# Altium PCB 1166V10.PcbDoc (part 3 of 6)
Units mm, origin at the board's own origin, x right, y up, seen from the top; angles counter-clockwise.
Board outline 155.98 x 100 mm, 8 copper layers (Top Layer, Layer 1, Layer 2, Layer 3, Layer 4, Layer 5, Layer 6, Bottom Layer), stack 1.6 mm thick; 455 components, 271 nets, 1649 pads, 2175 vias.
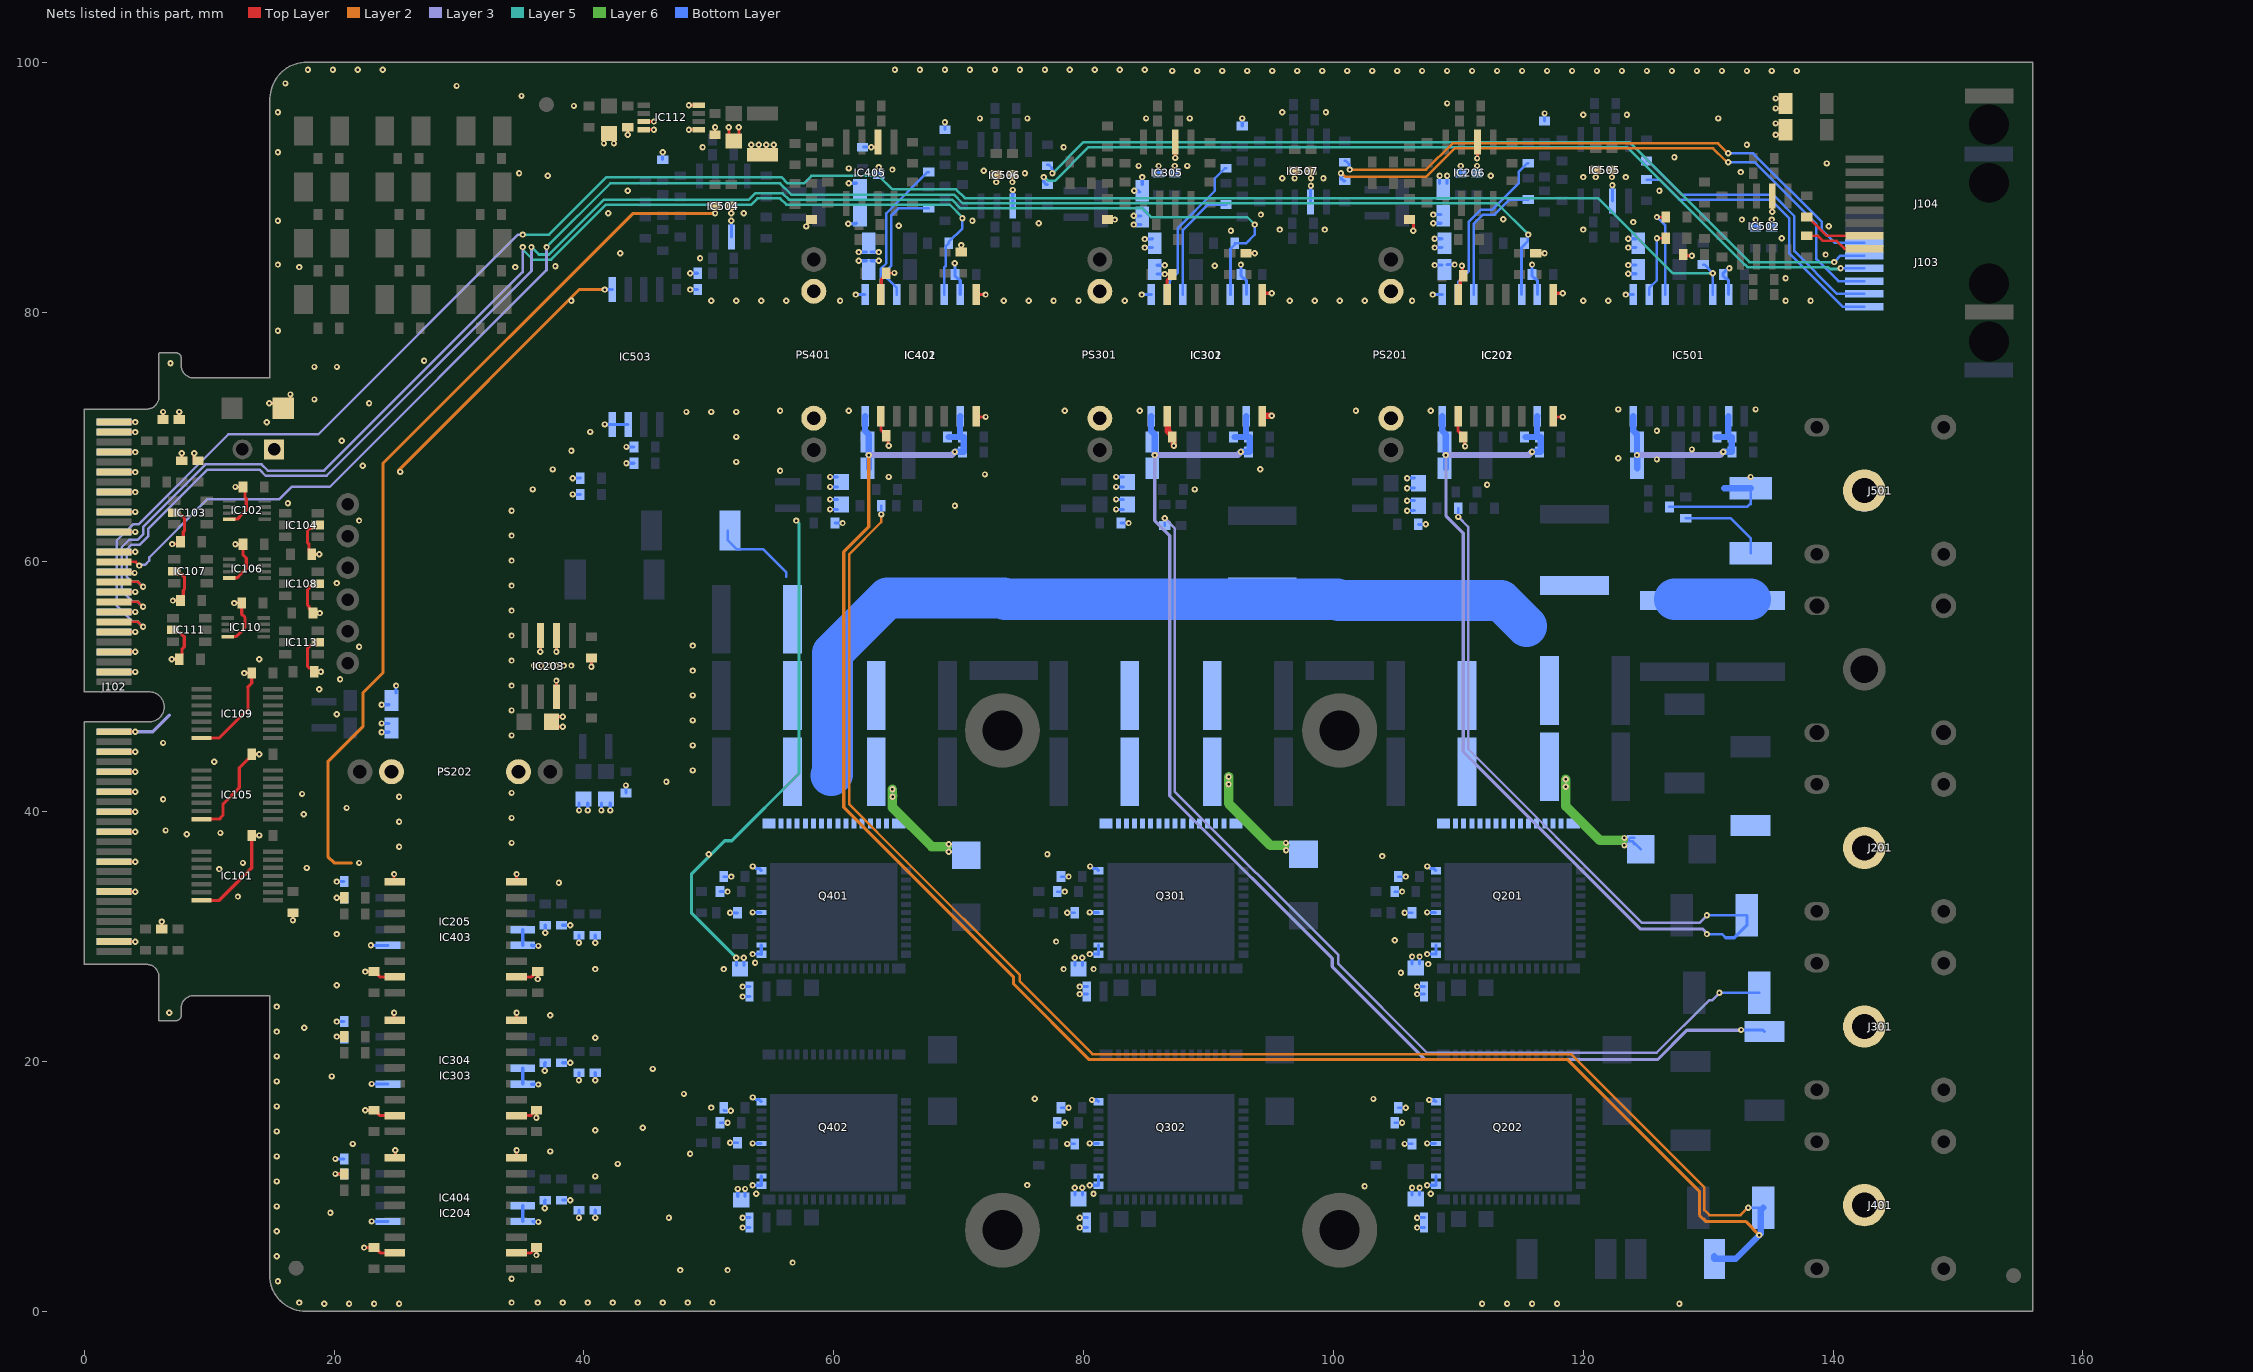
[diagram p9: the nets of this part, all layers, seen from the top]

## Via types
v1: diameter 0.5, hole 0.2, Top Layer to Bottom Layer, 2175 vias

## Nets (pads, with @x,y where several pads share a name; then routed paths per layer and width w, separated by ;. In a path a pad name is that pad's centre, name@x,y a point inside that pad or via, vN(x,y) a via of type N, cw(c..) or ccw(c..) an arc to the next point about the centre after c; other vN are vias at no path point) (continued)
GND: C101.1 C102.1 C103.1 C104.1 C105.1 C106.1 C107.1 C108.1 C109.1 C206.1 C207.1 C211.1 C212.2 C213.2 C221.1 C222.1 C223.1 C231.1 C236.1 C306.1 C307.1 C311.1 C312.2 C313.2 C321.1 C326.1 C331.1 C406.1 C407.1 C411.1 C412.2 C413.2 C421.1 C426.1 C431.1 C502.1 C505.2 C506.2 C507.1 C519.1 C532.1 C536.1 C541.1 CF101.1 CF102.1 CF103.1 CF104.2 CF105.2 CF106.2 CF107.2 CF108.2 CF109.2 CF110.2 CF111.2 CF112.2 CF203.2 CF208.2 CF210.2 CF211.2 CF212.2 CF213.2 CF303.2 CF305.2 CF307.2 CF308.2 CF309.2 CF310.2 CF403.2 CF405.2 CF407.2 CF408.2 CF409.2 CF410.2 CF501.2 CF502.2 CF503.2 CF504.2 CF507.2 CF508.2 CF509.2 CF510.2 CF511.2 CF512.2 CF513.2 CF514.2 CX101.2 D101.1 IC101.7 IC102.4 IC103.2 IC104.2 IC105.7 IC106.4 IC107.2 IC108.2 IC109.7 IC110.4 IC111.2 IC112.3 IC112.4 IC112.5 IC112.8 IC113.2 IC201.9 IC201.15 IC202.9 IC202.15 IC204.9 IC204.15 IC205.5 IC206.6 IC301.9 IC301.15 IC302.9 IC302.15 IC303.9 IC303.15 IC304.5 IC305.6 IC401.9 IC401.15 IC402.9 IC402.15 IC403.9 IC403.15 IC404.5 IC405.6 IC501.9 IC501.15 IC502.6 IC503.5 IC504.6 IC505.6 IC506.6 IC507.6 J101.1 J102.1 J102.2 J102.3 J102.4 J102.7 J102.8 J102.11 J102.12 J102.15 J102.16 J102.19 J102.20 J102.23 J102.24 J102.27 J102.28 J102.31 J102.32 J102.35 J102.36 J102.39 J102.40 J102.43 J102.44 J102.47 J102.48 J102.51 J102.52 J102.55 J102.56 J102.59 J102.60 J102.63 J102.64 J102.67 J102.68 J102.71 J102.72 J102.75 J102.76 J102.81 J102.82 J102.87 J102.88 J102.97 J102.98 PS201.2 PS202.2 PS301.2 PS401.2 R101.2 R102.1 RX101.2 | length 337.4
  Top Layer w0.254: J102.97@2.386,29.596 2.389,29.593 4.071,29.593 v1(4.073,29.591) ; J102.87@2.386,33.596 2.389,33.593 4.071,33.593 v1(4.073,33.591) ; J102.81@2.386,35.996 2.389,35.993 4.071,35.993 v1(4.073,35.991) ; J102.75@2.386,38.396 2.389,38.393 4.071,38.393 v1(4.073,38.391) ; J102.71@2.386,39.996 2.389,39.993 4.071,39.993 v1(4.073,39.991) ; J102.67@2.386,41.595 2.389,41.593 4.071,41.593 v1(4.073,41.591) ; J102.63@2.386,43.195 2.389,43.193 4.071,43.193 v1(4.073,43.191) ; J102.59@2.386,44.796 2.389,44.793 4.071,44.793 v1(4.073,44.791) ; J102.55@2.386,46.396 2.389,46.393 4.071,46.393 v1(4.073,46.391) ; J102.47@2.386,52.796 4.069,52.796 v1(4.071,52.793) ; J102.43@2.386,54.396 4.069,54.396 v1(4.071,54.393) ; J102.35@2.386,57.596 4.069,57.596 v1(4.071,57.593) ; J102.27@2.386,60.796 2.389,60.798 4.067,60.798 v1(4.069,60.8) ; J102.7@2.386,68.795 4.069,68.795 v1(4.071,68.793) ; J102.1@2.386,71.196 2.389,71.193 4.071,71.193 v1(4.073,71.191) ; J102.51@2.389,51.193 4.071,51.193 v1(4.073,51.191) ; J102.39@2.389,55.993 4.071,55.993 v1(4.073,55.991) ; J102.31@2.389,59.193 2.43,59.152 3.976,59.152 v1(4.02,59.108) ; J102.19@2.389,63.993 4.071,63.993 v1(4.073,63.991) ; J102.15@2.389,65.593 4.071,65.593 v1(4.073,65.591) ; J102.11@2.389,67.193 4.071,67.193 v1(4.073,67.191) ; J102.3@2.389,70.393 4.071,70.393 v1(4.073,70.391) ; J102.23@2.389,62.393 4.071,62.393 v1(4.074,62.39) ; R102.1@6.2,30.6 v1(6.2,31.2) ; C106.1@6.3,71.4 v1(6.3,72) ; v1(7,52.2) CF110.2@7.6,52.2 7.823,52.423 7.823,53.013 8,53.19 8,54 7.669,54.332 7.316,54.332 IC111.2@7.1,54.548 ; v1(7.043,61.42) CF112.2@7.583,61.42 ; v1(7.1,56.9) CF111.2@7.7,56.9 7.923,57.123 7.923,57.713 8.026,57.815 8.026,58.775 7.769,59.032 7.416,59.032 IC107.2@7.2,59.247 ; IC103.2@7.2,63.947 7.416,63.732 7.769,63.732 8.026,63.475 8.026,62.515 7.923,62.413 7.923,61.823 CF112.2@7.7,61.6 ; C107.1@7.6,71.4 v1(7.6,72) ; CF112.2@7.682,61.518 CF112.2@7.7,61.5 ; C108.1@7.8,68.1 v1(7.8,68.7) ; C109.1@8.8,68.1 v1(8.8,68.7) ; IC101.7@9.4,32.9 10.8,32.9 13.4,35.5 CF103.1@13.4,38.1 v1(14,38.1) ; IC105.7@9.4,39.4 10.5,39.4 10.8,39.4 11.1,39.7 11.1,40.6 12.4,41.9 12.4,43.5 13.4,44.5 CF102.1@13.4,44.6 v1(14,44.6) ; IC109.7@9.4,45.9 10.8,45.9 13.1,48.2 13.1,49.95 13.075,49.975 13.4,50.3 CF101.1@13.4,51.1 v1(12.8,51.1) ; IC110.4@11.5,54 11.523,54.023 12.151,54.023 12.863,54.735 12.863,55.557 12.6,55.82 CF107.2@12.6,56.7 v1(12,56.7) ; IC106.4@11.6,58.7 11.623,58.723 12.235,58.723 12.5,58.988 12.5,59 12.7,59.2 12.703,59.2 12.963,59.46 12.963,60.306 12.7,60.569 CF108.2@12.7,61.4 v1(12.1,61.4) ; IC102.4@11.6,63.4 11.623,63.423 12.235,63.423 12.7,63.888 12.7,63.897 12.963,64.16 12.963,65.068 12.863,65.169 12.863,65.837 CF109.2@12.7,66 v1(12.1,66) ; v1(14.8,72.691) 15.736,72.691 D101.1@15.827,72.6 ; D101.1@16.5,72.373 v1(16.5,73.4) ; v1(16.7,31.3) R101.2@16.7,31.9 ; 18,51.5 17.865,51.635 17.865,53.075 18.122,53.332 18.475,53.332 IC113.2@18.691,53.548 ; IC108.2@18.691,58.248 18.475,58.032 18.122,58.032 17.865,57.775 17.865,56.535 18,56.4 18,56.3 18.3,56 CF105.2@18.3,55.9 v1(18.845,55.9) ; IC104.2@18.691,62.947 18.475,62.732 18.122,62.732 17.865,62.475 17.865,61.515 17.977,61.404 17.977,60.823 CF104.2@18.2,60.6 v1(18.8,60.6) ; v1(20.1,11) C231.1@20.8,11 ; v1(20.2,22) C326.1@20.8,22 ; v1(20.2,33.1) C426.1@20.8,33.1 ; v1(22.4,5.1) CF208.2@23.2,5.1 23.3,5.1 23.7,4.7 23.73,4.67 IC204.15@24.85,4.67 ; v1(22.5,16.1) CF305.2@23.2,16.1 23.3,16.1 23.523,15.877 23.523,15.819 23.672,15.67 IC303.15@24.85,15.67 ; v1(22.5,27.2) CF405.2@23.2,27.2 23.3,27.2 23.523,26.977 23.523,26.919 23.672,26.77 IC403.15@24.85,26.77 ; v1(24.8,23.9) 24.8,23.34 IC303.9@24.85,23.29 ; v1(24.8,35) 24.8,34.44 IC403.9@24.85,34.39 ; IC204.9@24.85,12.29 24.9,12.34 v1(24.9,12.9) ; v1(41.6,93.5) C101.1@41.6,94.1 ; v1(42.4,93.5) C101.1@42.4,94.1 ; v1(43.5,94.2) C102.1@43.5,94.8 ; IC112.4@45,94.6 v1(45.6,94.6) ; IC112.3@45,95.25 v1(45.6,95.25) ; v1(48.4,94.6) IC112.5@49,94.6 ; v1(48.4,96.545) 48.402,96.548 48.998,96.548 IC112.8@49,96.55 ; v1(50.5,87.9) CF507.2@50.5,88.5 ; C104.1@50.5,94.2 v1(50.5,94.8) ; C103.1@51.6,94.2 v1(51.6,94.8) ; v1(51.8,87.9) CF508.2@51.8,88.5 ; C103.1@52.4,94.2 v1(52.4,94.8) ; C105.1@53.4,92.8 v1(53.4,93.4) ; C105.1@54,92.8 v1(54,93.4) ; C105.1@54.6,92.8 v1(54.6,93.4) ; C105.1@55.2,92.8 v1(55.2,93.4) ; v1(57.797,86.847) 57.797,86.913 57.887,87.004 57.887,87.177 58.11,87.4 C431.1@58.21,87.4 ; v1(63,93.2) 63.392,93.2 63.54,93.348 IC405.6@63.54,93.6 ; IC402.15@63.78,81.4 63.8,81.42 63.8,82.606 63.971,82.777 63.977,82.777 64.2,83 CF403.2@64.2,83.1 64.227,83.127 v1(64.855,83.127) ; v1@69.686,83.814 v1(69.686,83.899) ; C421.1@70.2,84.8 v1(70.2,85.356) ; IC402.9@71.4,81.4 v1(72.153,81.4) ; v1(73,90.4) CF511.2@73,91 ; v1(74.3,90.4) CF512.2@74.3,91 ; C331.1@81.91,87.4 v1(82.51,87.4) ; v1(86.5,83.04) 87.06,83.04 CF303.2@87.1,83 87.1,82.9 86.877,82.677 86.829,82.677 86.68,82.528 IC302.15@86.68,81.4 ; v1(87.34,92.34) IC305.6@87.34,93.6 ; C321.1@93,84.7 v1(93.7,84.7) ; IC302.9@94.3,81.4 94.4,81.5 v1(95.053,81.5) ; v1(96.89,90.71) 96.89,91.29 CF513.2@96.9,91.3 ; v1(98.2,90.7) CF514.2@98.2,91.3 ; v1(106.4,86.5) C236.1@106.4,87.1 ; IC202.15@109.98,81.4 110.153,81.573 110.153,82.553 110.336,82.736 110.336,83.653 v1(110.289,83.7) ; v1(111.5,92.3) 111.53,92.33 IC206.6@111.53,93.6 ; C221.1@116.2,84.7 v1(116.9,84.7) ; IC202.9@117.6,81.4 117.7,81.5 v1(118.353,81.5) ; v1(121,90.8) CF509.2@121,91.4 ; v1(122.3,90.8) CF510.2@122.3,91.4 ; C507.1@128.1,84.5 v1(128.7,84.5) ; v1(135.13,88.03) IC502.6@135.13,89.3 ; v1(135.4,94.2) CX101.2@136,94.2 ; v1(135.4,95.1) CX101.2@136,95.1 ; v1(135.4,96.3) RX101.2@136,96.3 ; v1(135.4,97.1) RX101.2@136,97.1
  Layer 2 w0.254: 21.4,35.9 20,35.9 19.5,36.4 19.5,44.011 22.3,46.811 22.3,49.504 23.9,51.104 23.9,67.869 43.931,87.9 v1(50.5,87.9) ; v1@25.17,67.343 39.627,81.8 v1(41.66,81.8) ; v1(57.797,86.847) v1@57.844,86.8
  Layer 3 w0.254: v1(4.073,46.391) 5.481,46.391 6.81,47.72
  Bottom Layer w0.254: J102.98@2.386,29.596 2.389,29.593 4.071,29.593 v1(4.073,29.591) ; J102.88@2.386,33.596 2.389,33.593 4.071,33.593 v1(4.073,33.591) ; J102.82@2.386,35.996 2.389,35.993 4.071,35.993 v1(4.073,35.991) ; J102.76@2.386,38.396 2.389,38.393 4.071,38.393 v1(4.073,38.391) ; J102.72@2.386,39.996 2.389,39.993 4.071,39.993 v1(4.073,39.991) ; J102.68@2.386,41.595 2.389,41.593 4.071,41.593 v1(4.073,41.591) ; J102.64@2.386,43.195 2.389,43.193 4.071,43.193 v1(4.073,43.191) ; J102.60@2.386,44.796 2.389,44.793 4.071,44.793 v1(4.073,44.791) ; J102.56@2.386,46.396 2.389,46.393 4.071,46.393 v1(4.073,46.391) ; J102.48@2.386,52.796 4.069,52.796 v1(4.071,52.793) ; J102.44@2.386,54.396 4.069,54.396 v1(4.071,54.393) ; J102.36@2.386,57.596 4.069,57.596 v1(4.071,57.593) ; J102.28@2.386,60.796 2.389,60.798 4.067,60.798 v1(4.069,60.8) ; J102.8@2.386,68.795 4.069,68.795 v1(4.071,68.793) ; J102.2@2.386,71.196 2.389,71.193 4.071,71.193 v1(4.073,71.191) ; J102.52@2.389,51.193 4.071,51.193 v1(4.073,51.191) ; J102.40@2.389,55.993 4.071,55.993 v1(4.073,55.991) ; J102.32@2.389,59.193 2.43,59.152 3.976,59.152 v1(4.02,59.108) ; J102.20@2.389,63.993 4.071,63.993 v1(4.073,63.991) ; J102.16@2.389,65.593 4.071,65.593 v1(4.073,65.591) ; J102.12@2.389,67.193 4.071,67.193 v1(4.073,67.191) ; J102.4@2.389,70.393 4.071,70.393 v1(4.073,70.391) ; J102.24@2.389,62.393 4.071,62.393 v1(4.074,62.39) ; v1(20.1,11) CF410.2@20.8,11 ; v1(20.1,12.2) CF409.2@20.8,12.2 ; v1(20.2,22) 20.7,22 CF310.2@20.8,21.9 ; v1(20.2,23.2) CF309.2@20.8,23.2 ; v1(20.2,33.1) CF213.2@20.8,33.1 ; v1(20.2,34.4) CF212.2@20.8,34.4 ; v1(22.945,29.3) 22.95,29.295 24.295,29.295 IC205.5@24.3,29.29 ; v1(23,7.2) 23.005,7.195 24.295,7.195 IC404.5@24.3,7.19 ; v1(23,18.2) 23.005,18.195 24.295,18.195 IC304.5@24.3,18.19 ; v1(23.8,46.36) C223.1@24.4,46.36 ; v1(23.8,47.06) C223.1@24.4,47.06 ; v1(23.8,48.56) C222.1@24.4,48.56 ; C222.1@24.96,49.5 v1(24.96,50.1) ; v1(41.66,81.8) IC503.5@42.26,81.8 ; C519.1@46.3,92.2 v1(46.3,92.8) ; v1(48.5,81.8) CF504.2@49.1,81.8 ; v1(48.5,83.1) CF503.2@49.1,83.1 ; IC504.6@51.8,86 v1(51.8,87.3) ; v1(61.163,87.063) 61.763,87.063 C407.1@61.8,87.1 ; v1(61.2,90.307) 61.793,90.307 C406.1@61.8,90.3 ; v1(61.757,81.4) IC401.9@62.51,81.4 ; v1(62,84.1) C413.2@62.6,84.1 ; v1(62,84.8) C412.2@62.6,84.8 ; CF407.2@62.4,93.2 v1(63,93.2) ; C413.2@63,84.1 v1(63.6,84.1) ; C412.2@63,84.8 v1(63.6,84.8) ; CF408.2@63.6,91 v1(63.6,91.6) ; C536.1@68.9,94.6 v1(68.9,95.2) ; v1(69.686,83.899) 69.693,83.892 69.693,83.007 C411.1@69.7,83 69.7,82.9 69.923,82.677 69.981,82.677 70.13,82.528 IC401.15@70.13,81.4 ; IC506.6@74.33,88.5 v1(74.33,89.77) ; v1(84.007,87) C307.1@84.6,87 ; v1(84.007,87.7) C307.1@84.6,87.7 ; v1(84.056,89.707) 84.393,89.707 C306.1@84.5,89.6 ; v1(84.657,81.4) IC301.9@85.41,81.4 ; C306.1@84.7,90.2 v1(84.7,90.8) ; v1(84.9,85.16) C312.2@85.5,85.16 ; v1(84.9,85.845) 85.485,85.845 C312.2@85.5,85.86 ; C313.2@85.9,83.04 v1(86.5,83.04) ; C313.2@85.9,83.74 v1(86.5,83.74) ; CF307.2@86,91.1 v1(86,91.7) ; CF308.2@87.3,91.1 v1(87.3,91.7) ; v1(92.6,83.803) C311.1@92.6,83 92.6,82.9 92.823,82.677 92.881,82.677 93.03,82.528 IC301.15@93.03,81.4 ; C541.1@92.7,94.9 v1(92.7,95.5) ; IC507.6@98.17,88.8 98.17,90.07 v1(98.2,90.1) ; v1(107.957,81.4) IC201.9@108.71,81.4 ; v1(108,87.1) C207.1@108.6,87.1 ; v1(108,87.8) C207.1@108.6,87.8 ; v1(108.1,83.76) C213.2@108.7,83.76 ; v1(108.1,85.16) C212.2@108.7,85.16 ; v1(108.1,85.86) C212.2@108.7,85.86 ; C206.1@108.5,90.3 v1(108.5,90.9) ; C213.2@109.1,83.8 v1(109.7,83.8) ; C206.1@109.1,90.3 v1(109.1,90.9) ; CF210.2@110.2,91.1 v1(110.2,91.7) ; CF211.2@111.5,91.1 v1(111.5,91.7) ; v1(115.9,83.803) C211.1@115.9,83 115.9,82.9 116.123,82.677 116.181,82.677 116.33,82.528 IC201.15@116.33,81.4 ; C532.1@116.9,95.3 v1(116.9,95.9) ; IC505.6@122.34,88.9 v1(122.34,90.14) ; v1(123.4,81.4) IC501.9@124.01,81.4 ; v1(123.6,83.06) C506.2@124.2,83.06 ; v1(123.6,83.76) C506.2@124.2,83.76 ; v1(123.6,85.16) C505.2@124.2,85.16 ; v1(123.6,85.86) C505.2@124.2,85.86 ; IC501.15@131.63,81.4 131.63,82.528 131.481,82.677 131.423,82.677 131.2,82.9 C502.1@131.2,83 131.2,83.1 131.553,83.453 131.653,83.453 v1(131.7,83.5) ; CF501.2@133.8,86.8 v1(133.8,87.4) ; CF502.2@135.1,86.8 v1(135.1,87.4)
  other v1: 19.2,0.6 21.2,0.6 23.2,0.6 25.2,0.6 17.2,0.7 15.5,2.4 15.4,4.4 15.4,6.4 19.7,7.9 15.4,8.4 15.4,10.4 15.4,12.4 21.5,13.4 15.4,14.4 15.4,16.4 15.4,18.4 19.8,18.8 15.4,20.4 15.4,22.4 17.6,22.7 6.8,23.9 15.4,24.4 20.2,26.1 20.2,30.2 12.3,33.2 10.8,35.4 17.8,35.5 12.7,35.9 22,35.9 25.2,37.2 8.2,38.2 10.9,38.3 6.5,38.5 25.2,39.2 17.577,39.802 21,40.3 6.3,41 25.2,41.2 17.429,41.417 10.4,44 6.3,45.5 20.2,47.8 18.8,49.8 20.475,50.6 18.945,51.2 14,52.2 22,53.2 20.2,58.3 22,63.3 16.3,64.7 25.3,67.2 22.3,67.7 20.6,69.7 14.6,71.175 22.8,72.7 18.425,73 18.425,75.6 20.225,75.6 6.9,75.9 27.2,76.1 15.5,78.5 39,80.9 50.2,80.9 52.2,80.9 54.2,80.9 56.2,80.9 60.5,80.9 73.6,80.9 75.6,80.9 77.6,80.9 79.6,80.9 83.3,80.9 96.5,80.9 98.5,80.9 100.5,80.9 102.5,80.9 106.3,80.9 120,80.9 122,80.9 136.2,80.9 138.2,80.9 136.2,82.7 17.2,83.6 34.5,83.6 37.712,83.668 90.5,83.7 15.5,83.8 49.3,84.3 139.4,84.6 42.9,84.7 135.9,85.9 91.8,86.5 95.7,86.6 99.3,86.6 120,86.6 139.661,86.868 65.2,86.9 76.4,87.1 124,87.2 15.5,87.3 71.1,87.3 132.7,87.4 113.595,87.42 94.2,87.8 41.949,87.9 52.8,87.9 43.5,89.7 126.1,89.7 95.9,90.7 99.2,90.7 120,90.8 123.4,90.8 37.1,90.9 112.6,90.9 34.8,91.1 75.3,91.1 132.6,91.2 72,91.3 64.7,91.4 61.2,91.5 84.4,91.7 88.3,91.7 139.5,91.9 127.3,92.4 15.5,92.8 49.5,93.2 78.4,93.2 133.1,93.4 71.7,95.5 75.5,95.5 85,95.5 88.5,95.5 130.8,95.5 120,95.8 123.5,95.8 15.5,96 95.9,96 99.4,96 39.2,96.5 109.1,96.7 35,97.3 29.8,98.1 16.1,98.3 87.1,99.3 89.1,99.3 91.1,99.3 93.1,99.3 95.1,99.3 97.1,99.3 99.1,99.3 101.1,99.3 103.1,99.3 105.1,99.3 107.1,99.3 109.1,99.3 111.1,99.3 113.1,99.3 115.1,99.3 117.1,99.3 119.1,99.3 121.1,99.3 123.1,99.3 125.1,99.3 127.1,99.3 129.1,99.3 131.1,99.3 133.1,99.3 135.1,99.3 137.1,99.3 17.9,99.4 19.9,99.4 21.9,99.4 23.9,99.4 64.9,99.4 66.9,99.4 68.9,99.4 70.9,99.4 72.9,99.4 74.9,99.4 76.9,99.4 78.9,99.4 80.9,99.4 82.9,99.4 84.9,99.4
HV: C202.1 C203.1 C204.1 C205.1 C302.1 C303.1 C304.1 C305.1 C402.1 C403.1 C404.1 C405.1 C521.1 C522.1 C523.1 C524.1 C525.1 C526.1 C527.1 D201.2 D301.2 D401.2 Q201.1 Q201.2 Q201.3 Q201.4 Q201.5 Q201.6 Q201.7 Q201.8 Q201.9 Q201.10 Q201.11 Q201.12 Q201.13 Q201.14 Q201.15 Q201.16 Q301.1 Q301.2 Q301.3 Q301.4 Q301.5 Q301.6 Q301.7 Q301.8 Q301.9 Q301.10 Q301.11 Q301.12 Q301.13 Q301.14 Q301.15 Q301.16 Q401.1 Q401.2 Q401.3 Q401.4 Q401.5 Q401.6 Q401.7 Q401.8 Q401.9 Q401.10 Q401.11 Q401.12 Q401.13 Q401.14 Q401.15 Q401.16 R511.2 R516.1 R518.1 | length 113.7
  Layer 6 w0.762: v1@64.7,41.301 v1@64.701,41.301 ; v1(64.7,41.8) 64.7,41.3 64.7,40.341 67.841,37.2 v1@69.1,37.2 ; v1(91.61,42.802) 91.61,42.302 91.61,40.642 94.953,37.3 v1@96.1,37.3 ; v1(118.6,42.6) 118.6,42.1 118.6,40.441 121.341,37.7 v1@123.2,37.7
  Bottom Layer w0.203: R511.2@51.5,62.5 51.5,61.75 52.248,61.002 54.36,61.002 56.2,59.162 56.2,58.8 ; D201.2@124.1,37.4 D201.2@123.85,37.65 ; D201.2@124.1,37.9 123.75,37.9 123.5,37.65 D201.2@123.85,37.65 ; D201.2@124.6,37 123.95,37.65 D201.2@123.85,37.65 ; R516.1@128.2,63.5 131.8,63.5 133.4,61.9 R518.1@133.4,60.7
  Bottom Layer w3.302: 59.8,42.9 59.9,43 59.9,52.7 64.3,57.1 73.6,57.1 73.7,57 100.3,57 100.4,56.9 113.4,56.9 115.45,54.85 ; C524.1@127.3,57 C527.1@133.4,57
  other v1: 69.2,36.8 96.21,36.902 123.3,37.3 69.2,37.4 96.2,37.5 123.3,37.9 64.701,41.201 118.6,42 91.61,42.202
I1_DIAG: IC201.14 J102.29 R203.1 | length 133.9
  Top Layer w0.203: J102.29@2.386,59.996 4.104,59.996 v1(4.4,59.7)
  Layer 3 w0.203: v1(4.4,59.7) 4.457,59.757 4.857,59.757 5.2,60.1 5.2,60.362 9.832,64.994 15.594,64.994 16.6,66 19.649,66 37,83.351 37,85.197 v1(37.003,85.2)
  Layer 5 w0.203: v1(37.003,85.2) 42.103,90.3 55.7,90.3 56.594,89.406 69.62,89.406 70.32,88.706 113.094,88.706 v1(115.6,86.2)
  Bottom Layer w0.203: R203.1@115.3,85.4 115.548,85.648 v1@115.548,86.168
  Bottom Layer w0.254: IC201.14@115.06,81.4 115.06,85.16 R203.1@115.3,85.4
I1_OUT_N: J103.2 R529.2 | length 23.5
  Bottom Layer w0.203: R529.2@125.07,92.1 125.17,92.1 127.87,89.4 135.175,89.4 136.906,87.668 136.906,84.868 140.325,81.45 J103.2@142.495,81.45
I1_OUT_N#: IC201.10 R531.1 | length 13.4
  Bottom Layer w0.203: IC201.10@109.98,81.4 109.98,82.4 110.844,83.264 110.844,87.244 111.8,88.2 112.725,88.2 114.845,90.32 114.845,91.245 115.5,91.9 R531.1@115.6,91.9
I1_OUT_P: J103.1 R525.2 | length 23.3
  Bottom Layer w0.203: R525.2@125.07,90.6 126.095,90.6 127.702,88.994 135.006,88.994 136.5,87.5 136.5,84.7 140.77,80.43 J103.1@142.495,80.43
I1_OUT_P#: IC201.11 R527.1 | length 10.8
  Bottom Layer w0.203: IC201.11@111.25,81.4 111.25,87.075 111.968,87.794 112.894,87.794 114.1,89 R527.1@115.6,89
I2_DIAG: IC301.14 J102.33 R303.1 | length 118.7
  Top Layer w0.203: J102.33@2.386,58.396 4.304,58.396 v1(4.7,58)
  Layer 3 w0.203: v1(4.7,58) 4.3,58.4 3.8,58.4 3.4,58.8 3.4,61 3.755,61.355 4.43,61.355 5.106,62.032 5.106,62.632 9.83,67.355 14.058,67.355 14.519,66.894 19.394,66.894 35.8,83.3 v1(35.8,85.2)
  Layer 5 w0.203: v1(35.8,85.2) 36.394,84.606 37.194,84.606 41.594,89.006 53.206,89.006 53.7,89.5 55.9,89.5 56.4,89 69.452,89 70.152,88.3 84.7,88.3 85.4,87.6 93.1,87.6 v1(93.7,87)
  Bottom Layer w0.203: IC301.14@91.76,81.4 91.76,85.06 92.1,85.4 R303.1@92.1,85.5 93,85.5 93.7,86.2 v1(93.7,87)
I2_OUT_N: J103.6 R544.2 | length 46.7
  Layer 2 w0.203: v1(101.3,91.4) 107.425,91.4 109.526,93.501 121.7,93.501 121.705,93.506 130.794,93.506 131.597,92.703 v1(131.6,92.703)
  Bottom Layer w0.203: R544.2@100.9,92.1 101,92.1 101.248,91.852 101.248,91.752 101.3,91.7 v1(101.3,91.4) ; v1(131.6,92.703) 131.603,92.7 133.6,92.7 139.106,87.194 139.106,86.568 140.145,85.53 J103.6@142.495,85.53
I2_OUT_N#: IC301.10 R546.1 | length 12.1
  Bottom Layer w0.203: IC301.10@86.68,81.4 86.878,81.598 86.878,82.478 87.544,83.144 87.544,86.744 90.5,89.7 90.5,90.7 91.3,91.5 R546.1@91.4,91.5
I2_OUT_P: J103.3 R541.2 | length 49.8
  Layer 2 w0.203: v1(100.6,91.1) 100.68,91.1 100.935,90.845 107.445,90.845 109.695,93.095 130.395,93.095 130.4,93.1 131.352,92.148 131.371,92.148 131.52,92 v1(131.6,92)
  Bottom Layer w0.203: v1(131.6,92) 133.725,92 138.663,87.063 138.663,84.237 140.43,82.47 J103.3@142.495,82.47
  Bottom Layer w0.254: v1(100.6,91.1) 100.6,90.723 100.823,90.5 R541.2@100.9,90.5
I2_OUT_P#: IC301.11 R543.1 | length 9.5
  Bottom Layer w0.203: IC301.11@87.95,81.4 87.95,86.575 89.975,88.6 R543.1@91.4,88.6
I3_DIAG: IC401.14 J102.37 R403.1 | length 97.2
  Top Layer w0.203: J102.37@2.386,56.796 4.304,56.796 v1(4.7,56.4)
  Layer 3 w0.203: v1(4.7,56.4) 4.3,56.8 3.9,56.8 2.994,57.706 2.994,61.168 3.587,61.762 4.262,61.762 4.7,62.2 4.7,62.8 9.7,67.8 14.187,67.8 14.687,67.3 19.2,67.3 35.097,83.197 v1(35.097,85.2)
  Layer 5 w0.203: v1(35.097,85.2) 35.154,85.143 35.154,84.945 35.898,84.2 37.363,84.2 41.763,88.6 53.4,88.6 53.894,89.094 55.706,89.094 56.206,88.594 69.084,88.594 69.284,88.594 70.3,87.577 v1(70.3,87.5)
  Bottom Layer w0.203: IC401.14@68.86,81.4 68.86,83.592 68.952,83.683 68.952,85.252 R403.1@69.2,85.5 69.2,85.6 70.3,86.7 v1@70.3,87.4
I3_OUT_N: J103.5 R536.2 | length 71.2
  Layer 5 w0.203: v1(77.5,91.1) 80,93.6 123.711,93.6 133.311,84 v1(140.1,84)
  Bottom Layer w0.203: R536.2@77.1,91.8 77.2,91.8 77.448,91.552 77.448,91.452 77.5,91.4 v1(77.5,91.1) ; v1(140.1,84) 140.1,84.02 140.59,84.51 J103.5@142.495,84.51
I3_OUT_N#: IC401.10 R538.1 | length 11.4
  Bottom Layer w0.203: IC401.10@63.78,81.4 63.78,83.48 64.2,83.9 64.2,87.9 67.5,91.2 R538.1@67.6,91.2
I3_OUT_P: J103.4 R532.2 | length 71.7
  Layer 5 w0.203: v1(76.8,90.8) 76.88,90.8 77.18,90.5 77.7,90.5 80.394,93.194 123.506,93.194 132.9,83.8 132.936,83.8 133.142,83.594 139.606,83.594 139.755,83.445 140.545,83.445 v1(140.6,83.5)
  Bottom Layer w0.203: v1@140.63,83.49 J103.4@142.495,83.49
  Bottom Layer w0.254: v1(76.8,90.8) 76.8,90.423 77.023,90.2 R532.2@77.1,90.2
I3_OUT_P#: IC401.11 R534.1 | length 10
  Bottom Layer w0.203: IC401.11@65.05,81.4 65.05,81.925 64.3,82.675 64.3,83.425 64.606,83.732 64.606,87.732 65.175,88.3 R534.1@67.6,88.3
I_DIAG: IC501.14 J102.41 R502.1 | length 156.8
  Top Layer w0.203: J102.41@2.386,55.196 4.304,55.196 v1(4.7,54.8)
  Layer 3 w0.203: v1(4.7,54.8) 4.3,55.2 3.9,55.2 2.587,56.513 2.587,61.687 3.9,63 4.325,63 11.525,70.2 18.73,70.2 34.73,86.2 v1(35.1,86.2)
  Layer 5 w0.203: v1(35.1,86.2) 37.2,86.2 41.8,90.8 55.8,90.8 56.3,90.3 57.6,90.3 58.2,90.9 63.6,90.9 64.687,89.813 69.789,89.813 70.489,89.113 121.187,89.113 127.2,83.1 v1(130.36,83.1)
  Bottom Layer w0.203: R502.1@129.6,83.8 129.7,83.8 130.36,83.14 v1(130.36,83.1) IC501.14@130.36,81.4
I_OUT_N: J104.8 R506.2 | length 5
  Top Layer w0.203: R506.2@137.9,86.1 138.8,86.1 139.206,85.694 140.286,85.694 140.9,85.08 J104.8@142.52,85.08
I_OUT_N#: IC501.10 R508.1 | length 5.5
  Top Layer w0.203: v1(125.9,85.9) R508.1@126.6,85.9
  Bottom Layer w0.203: IC501.10@125.28,81.4 125.28,81.925 125.9,82.545 v1(125.9,85.9)
I_OUT_P: J104.7 R503.2 | length 5.2
  Top Layer w0.203: R503.2@137.9,87.6 138,87.6 139.5,86.1 J104.7@142.52,86.1
I_OUT_P#: IC501.11 R505.1 | length 7.1
  Top Layer w0.203: v1@126,87.6 R505.1@126.6,87.6
  Bottom Layer w0.203: v1(125.9,87.6) 126.55,86.95 IC501.11@126.55,81.4
M1: C224.2 C225.1 C226.1 C228.2 C230.1 C235.1 C322.1 C323.1 C325.1 C330.1 C422.1 C423.1 C425.1 C430.1 C518.1 CF205.2 CF206.2 CF207.2 CF209.1 CF214.2 CF215.2 CF306.1 CF311.2 CF312.2 CF406.1 CF411.2 CF412.2 CF505.2 CF506.2 IC203.3 IC203.6 IC203.7 IC204.2 IC204.8 IC205.3 IC205.4 IC303.2 IC303.8 IC304.3 IC304.4 IC403.2 IC403.8 IC404.3 IC404.4 IC503.3 IC503.4 L206.1 L304.1 L404.1 PS202.6 Q202.44 Q202.45 Q202.49 Q202.54 Q302.44 Q302.45 Q302.49 Q302.54 Q402.44 Q402.45 Q402.49 Q402.54 R212.2 R224.2 R312.2 R324.2 R412.2 R424.2 R522.2 | length 56.7
  Top Layer w0.254: IC204.2@34.6,4.67 35.728,4.67 35.877,4.819 35.877,4.877 36.1,5.1 CF209.1@36.2,5.1 v1(36.2,4.5) ; IC204.8@34.6,12.29 v1(34.6,12.9) ; IC303.2@34.6,15.67 35.728,15.67 35.877,15.819 35.877,15.877 36.1,16.1 CF306.1@36.2,16.1 v1(36.2,15.5) ; IC303.8@34.6,23.29 v1(34.6,23.9) ; IC403.2@34.6,26.77 35.806,26.77 35.977,26.941 35.977,26.977 36.2,27.2 CF406.1@36.3,27.2 v1(36.3,26.6) ; IC403.8@34.6,34.39 v1(34.6,35) ; v1(36.5,52.8) 36.515,52.815 36.515,54.085 IC203.7@36.53,54.1 ; CF207.2@37.4,46.8 v1(38.3,46.8) ; CF207.2@37.4,47.6 v1(38.3,47.6) ; IC203.3@37.8,49.2 v1(37.8,50.5) ; v1(37.8,52.8) IC203.6@37.8,54.1 ; v1(40.6,51.6) C228.2@40.6,52.3
  Bottom Layer w0.203: R412.2@50.9,15.1 v1(51.5,15.1) ; C423.1@51.2,16.1 51.242,16.058 v1(51.758,16.058) ; v1(51.7,13.5) C425.1@52.3,13.5 ; R312.2@77.9,15.1 v1(78.5,15.1) ; C323.1@78.2,16.3 v1(78.8,16.3) ; v1(78.7,13.4) C325.1@79.3,13.4 ; R212.2@104.9,15.1 v1(105.5,15.1) ; C226.1@105.2,16.3 v1(105.8,16.3) ; v1(105.7,13.4) C230.1@106.3,13.4
  Bottom Layer w0.254: IC404.4@35.1,7.19 IC404.3@35.1,8.46 ; IC304.4@35.1,18.19 IC304.3@35.1,19.46 ; IC205.4@35.1,29.29 IC205.3@35.1,30.56 ; IC304.4@35.8,18.2 35.826,18.174 36.342,18.174 v1(36.358,18.158) ; IC205.4@35.8,29.3 35.828,29.272 36.343,29.272 v1(36.361,29.255) ; IC404.4@35.9,7.2 35.928,7.172 36.343,7.172 v1(36.361,7.155) ; v1(36.858,19.258) 36.858,19.858 CF311.2@36.9,19.9 ; v1(36.863,8.252) 36.863,8.863 CF411.2@36.9,8.9 ; v1(36.9,30.3) CF214.2@36.9,30.9 ; CF412.2@38.3,8.9 v1(38.9,8.9) ; CF312.2@38.3,19.9 v1(38.9,19.9) ; CF215.2@38.3,30.9 v1(38.9,30.9) ; v1(39.1,65.4) R522.2@39.7,65.4 ; v1(39.1,66.7) C518.1@39.7,66.7 ; v1(39.6,7.5) C430.1@39.6,8.1 ; v1(39.6,18.5) C330.1@39.6,19.1 ; v1(39.6,29.5) C235.1@39.6,30.1 ; CF205.2@39.6,40.7 39.607,40.693 v1(39.607,40.1) ; v1(40.3,40.1) CF205.2@40.3,40.7 ; v1(40.9,7.5) R424.2@40.9,8.1 ; v1(40.9,18.5) R324.2@40.9,19.1 ; v1(40.9,29.5) R224.2@40.9,30.1 ; v1(41.4,40.1) CF206.2@41.4,40.7 ; v1(41.66,71) IC503.4@42.26,71 IC503.3@43.53,71 ; v1(42.1,40.1) CF206.2@42.1,40.7 ; C224.2@43.36,41.5 v1(43.36,42.1) ; v1(43.4,67.9) CF506.2@44,67.9 ; v1(43.4,69.2) CF505.2@44,69.2 ; C422.1@52.3,9.2 52.307,9.207 v1(52.307,9.8) ; v1(52.7,6.7) L404.1@53.3,6.7 ; v1(52.7,7.5) L404.1@53.3,7.5 ; C422.1@52.9,9.2 v1(52.9,9.8) ; v1(53.5,10.1) 53.508,10.093 54.192,10.093 Q402.44@54.2,10.085 Q402.45@54.2,10.835 ; v1(53.5,13.435) Q402.49@54.185,13.435 ; v1(53.513,17.119) 53.58,17.119 53.741,16.958 54.027,16.958 Q402.54@54.2,16.785 ; C322.1@79.3,9.3 v1(79.3,9.9) ; v1(79.7,6.7) L304.1@80.3,6.7 ; v1(79.7,7.5) L304.1@80.3,7.5 ; C322.1@79.9,9.3 v1(79.9,9.9) ; v1(80.5,10.1) 80.507,10.093 81.192,10.093 Q302.44@81.2,10.085 Q302.45@81.2,10.835 ; v1(80.5,13.435) Q302.49@81.185,13.435 ; v1(80.669,16.923) 80.716,16.876 80.945,16.876 81.027,16.958 Q302.54@81.2,16.785 ; C225.1@106.3,9.3 v1(106.3,9.9) ; v1(106.7,6.7) L206.1@107.3,6.7 ; v1(106.7,7.5) L206.1@107.3,7.5 ; C225.1@106.9,9.3 v1(106.9,9.9) ; v1(107.5,10.1) 107.507,10.093 108.192,10.093 Q202.44@108.2,10.085 Q202.45@108.2,10.835 ; v1(107.5,13.435) Q202.49@108.185,13.435 ; v1(107.669,16.923) 107.716,16.876 107.945,16.876 108.027,16.958 Q202.54@108.2,16.785
  other v1: 111.9,0.6 113.9,0.6 115.9,0.6 117.9,0.6 127.7,0.6 34.2,0.7 36.3,0.7 38.3,0.7 40.3,0.7 42.3,0.7 44.3,0.7 46.3,0.7 48.3,0.7 50.3,0.7 34.2,2.6 47.7,3.3 51.5,3.3 56.7,3.9 46.8,7.5 53.792,9.407 80.793,9.407 107.792,9.407 102.493,10.008 75.492,10.108 40.9,10.8 42.7,11.8 48.492,12.608 37.3,12.8 40.9,14.5 44.7,14.7 50.193,16.308 103.2,17 76.092,17.007 48,17.4 45.5,19.4 40.9,21.9 37.3,23.7 40.9,27.4 38,34.3 34.2,37.5 34.2,39.5 34.2,41.5 46.6,42.4 48.7,43.3 48.7,45.3 34.2,46.1 48.7,47.3 34.2,48.1 48.7,49.3 34.2,50.1 48.7,51.3 36,51.7 36.6,51.7 37.2,51.7 37.8,51.7 38.4,51.7 39,51.7 34.2,52.1 48.7,53.3 34.2,54.1 34.2,56.1 34.2,58.1 34.2,60.1 34.2,62.1 34.2,64.1 35.9,65.8 37.5,67.4 52.2,68 39,68.9 52.2,70 40.5,70.4 48.2,72 50.2,72 52.2,72
M2: C201.1 C208.2 C209.1 C214.1 CF201.2 CF202.2 CF204.1 IC202.2 IC202.8 L203.1 PS201.6 Q201.44 Q201.45 Q201.49 Q201.54 R205.2 | length 13.6
  Top Layer w0.254: IC202.2@109.98,71.65 109.98,70.472 110.129,70.323 110.177,70.323 110.4,70.1 CF204.1@110.4,70 110.488,69.912 110.488,69.304 v1(110.535,69.257) ; IC202.8@117.6,71.65 117.65,71.6 v1(118.353,71.6)
  Bottom Layer w0.203: R205.2@104.9,33.6 v1(105.5,33.6) ; C209.1@105.2,34.8 v1(105.8,34.8) ; v1(105.7,31.9) C214.1@106.3,31.9
  Bottom Layer w0.254: v1(105.9,64.1) CF202.2@106.5,64.1 ; v1(105.9,64.9) CF202.2@106.5,64.9 ; v1(105.9,65.9) CF201.2@106.5,65.9 ; v1(105.9,66.7) CF201.2@106.5,66.7 ; C201.1@106.3,27.8 v1(106.3,28.4) ; v1(106.7,25.4) L203.1@107.3,25.4 ; v1(106.7,26) L203.1@107.3,26 ; C208.2@106.8,63 v1(107.4,63) ; C201.1@106.9,27.8 v1(106.9,28.4) ; v1(107.5,28.6) 107.507,28.593 108.192,28.593 Q201.44@108.2,28.585 Q201.45@108.2,29.335 ; v1(107.5,31.935) Q201.49@108.185,31.935 ; v1(107.513,35.619) 107.58,35.619 107.741,35.458 108.027,35.458 Q201.54@108.2,35.285
  other v1: 105.4,27.1 107.6,27.8 104.9,29.7 103.911,36.449 112.3,66.176 101.8,72.1 107.8,72.1
M2U: C215.2 C216.2 C217.2 C218.2 C219.2 IC201.2 IC201.8 J201.1 R210.1 R211.2 R220.2 | length 118.3
  Layer 3 w0.203: v1(110,63.6) 110.794,62.806 110.794,45.016 124.71,31.1 129.3,31.1 v1(129.9,31.7)
  Layer 3 w0.254: v1(109,68.55) 109,63.7 110.4,62.3 110.4,44.8 124.6,30.6 129.6,30.6 129.6,30.567 129.9,30.267 v1(129.9,30.2)
  Layer 3 w0.508: v1(109,68.55) 115.65,68.55 v1(115.9,68.8)
  Bottom Layer w0.203: v1(110,63.6) R210.1@110,64.3 ; v1(129.9,30.2) 131.1,30.2 131.35,29.95 ; v1(129.9,31.7) R211.2@133.1,31.7
  Bottom Layer w0.254: 131.35,29.95 131.4,29.9 132.1,29.9 133.1,30.9 R211.2@133.1,31.7
  Bottom Layer w0.508: IC201.8@108.71,71.65 108.7,71.64 108.7,70.5 109,70.2 v1(109,68.55) ; C218.2@109.015,67.484 v1@109.015,68.534 ; C217.2@115.4,70 C216.2@116.5,70 116.6,70 116.6,68.8 C215.2@116.5,68.8 v1(115.9,68.8) ; C216.2@116.3,70.2 116.3,71.62 IC201.2@116.33,71.65
M2V: C315.2 C316.2 C317.2 C318.2 C319.2 IC301.2 IC301.8 J301.1 R310.1 R311.2 R320.2 | length 181.1
  Layer 3 w0.203: v1(86.504,63.496) 87.294,62.706 87.294,41.632 100.394,28.532 100.394,27.806 107.5,20.7 125.875,20.7 130.075,24.9 130.3,24.9 v1(130.9,25.5)
  Layer 3 w0.254: v1(85.7,68.55) 85.7,63.3 86.9,62.1 86.9,41.251 99.9,28.251 99.9,27.6 107.353,20.147 125.947,20.147 128.3,22.5 132.61,22.5 v1(132.631,22.521)
  Layer 3 w0.508: v1(85.7,68.55) 92.35,68.55 v1(92.6,68.8)
  Bottom Layer w0.203: R310.1@86.5,62.9 86.504,62.904 v1(86.504,63.496) ; v1(130.9,25.5) R311.2@134.1,25.5
  Bottom Layer w0.254: v1(132.631,22.521) 134.379,22.521 R320.2@134.5,22.4
  Bottom Layer w0.508: IC301.8@85.41,71.65 85.4,71.64 85.4,70.5 85.7,70.2 v1(85.7,68.55) ; C317.2@92.1,70 93.3,70 93.3,68.8 v1(92.6,68.8) ; C316.2@93,70.1 93,71.62 IC301.2@93.03,71.65
M2W: C415.2 C416.2 C417.2 C418.2 C419.2 IC401.2 IC401.8 J401.1 R410.1 R411.2 R420.2 | length 254.2
  Layer 2 w0.203: v1(63.8,63.8) 63.8,63.175 61.242,60.617 61.242,40.583 65.8,36.025 74.894,26.932 74.894,26.406 80.706,20.594 119.006,20.594 129.7,9.9 129.7,8.1 130.1,7.7 132.6,7.7 v1(133.2,8.3)
  Layer 2 w0.254: v1(62.8,68.55) 62.8,62.8 60.8,60.8 60.8,40.351 74.4,26.751 74.4,26.2 80.453,20.147 118.762,20.147 129.3,9.609 129.3,7.7 129.8,7.2 133,7.2 v1(134.1,6.1)
  Layer 3 w0.508: v1(62.8,68.55) 69.45,68.55 v1(69.7,68.8)
  Bottom Layer w0.203: v1(63.8,63.8) R410.1@63.8,64.5 ; v1(133.2,8.3) R411.2@134.4,8.3
  Bottom Layer w0.508: IC401.8@62.51,71.65 62.5,71.64 62.5,70.5 62.8,70.2 v1(62.8,68.55) ; C419.2@62.815,67.484 v1@62.815,68.534 ; C417.2@69.2,70 70.4,70 70.4,68.8 v1(69.7,68.8) ; C416.2@70.1,70.1 70.1,71.62 IC401.2@70.13,71.65 ; R420.2@130.5,4.4 R420.2@130.5,4.2 132.2,4.2 v1(134.1,6.1) 134.2,6.2 134.2,8.1 R411.2@134.4,8.3
M3: C301.1 C308.2 C309.1 C314.1 CF301.2 CF302.2 CF304.1 IC302.2 IC302.8 L303.1 PS301.6 Q301.44 Q301.45 Q301.49 Q301.54 R305.2 | length 13.5
  Top Layer w0.508: IC302.2@86.68,71.65 86.726,71.604 86.726,70.474 87.1,70.1 CF304.1@87.1,70 87.196,69.904 87.196,69.339 v1(87.235,69.3) ; IC302.8@94.3,71.65 94.3,71.654 94.346,71.7 v1(95.053,71.7)
  Bottom Layer w0.203: R305.2@77.9,33.6 v1(78.5,33.6) ; C309.1@78.2,34.8 v1(78.8,34.8) ; v1(78.7,31.9) C314.1@79.3,31.9
  Bottom Layer w0.254: C301.1@79.3,27.7 v1(79.3,28.3) ; v1(79.7,25.4) L303.1@80.3,25.4 ; v1(79.7,26) L303.1@80.3,26 ; C301.1@79.9,27.7 v1(79.9,28.3) ; v1(80.5,28.6) 80.507,28.593 81.192,28.593 Q301.44@81.2,28.585 Q301.45@81.2,29.335 ; v1(80.5,31.935) Q301.49@81.185,31.935 ; v1(80.513,35.619) 80.58,35.619 80.741,35.458 81.027,35.458 Q301.54@81.2,35.285 ; v1(82.6,64.2) CF302.2@83.2,64.2 ; v1(82.6,65) CF302.2@83.2,65 ; v1(82.6,66) CF301.2@83.2,66 ; v1(82.6,66.8) CF301.2@83.2,66.8 ; C308.2@83,63.1 v1(83.6,63.1)
  other v1: 78.4,27.4 80.8,27.4 77.8,29.6 77.1,36.6 88.9,65.8 94.132,67.412 78.5,72.1 84.5,72.1
M4: C401.1 C408.2 C409.1 C414.1 CF401.2 CF402.2 CF404.1 IC402.2 IC402.8 L403.1 PS401.6 Q401.44 Q401.45 Q401.49 Q401.54 R405.2 | length 54.1
  Top Layer w0.254: IC402.2@63.78,71.65 63.78,70.572 63.929,70.423 63.977,70.423 64.2,70.2 CF404.1@64.2,70.1 64.353,69.947 64.353,69.347 v1(64.4,69.3) ; IC402.8@71.4,71.65 71.45,71.6 v1(72.153,71.6)
  Layer 5 w0.254: v1(52.2,28.3) 48.6,31.9 48.6,35 51.269,37.669 51.831,37.669 57.216,43.054 57.216,63.084 v1(57,63.3)
  Bottom Layer w0.203: C409.1@51.2,34.8 v1(51.8,34.8)
  Bottom Layer w0.254: R405.2@50.9,33.6 v1(51.5,33.6) ; v1(51.7,31.9) C414.1@52.3,31.9 ; C401.1@52.2,27.7 v1(52.2,28.3) ; v1(52.7,25.2) L403.1@53.3,25.2 ; v1(52.7,26) L403.1@53.3,26 ; C401.1@52.8,27.7 v1(52.8,28.3) ; v1(53.5,28.6) 53.508,28.593 54.192,28.593 Q401.44@54.2,28.585 Q401.45@54.2,29.335 ; v1(53.5,31.935) Q401.49@54.185,31.935 ; v1(53.513,35.619) 53.58,35.619 53.741,35.458 54.027,35.458 Q401.54@54.2,35.285 ; v1(59.7,64.2) CF402.2@60.3,64.2 ; v1(59.7,65) CF402.2@60.3,65 ; v1(59.7,66) CF401.2@60.3,66 ; v1(59.7,66.8) CF401.2@60.3,66.8 ; C408.2@60.1,63.1 v1(60.7,63.1)
  other v1: 51.2,27.4 53.7,27.9 50,36.6 69.7,64.5 64.4,66.8 72.1,67 55.7,67.3 55.7,72.1 61.2,72.1
M5: C510.2 C511.2 C512.2 C513.2 C514.2 IC501.2 IC501.8 J501.1 R517.1 R518.2 | length 25.9
  Layer 3 w0.508: v1(124.3,68.55) 130.3,68.55 130.95,68.55 v1(131.2,68.8)
  Bottom Layer w0.203: R517.1@126.9,64.4 133.12,64.4 133.32,64.6 133.4,64.6 R518.2@133.4,65.9
  Bottom Layer w0.508: IC501.8@124.01,71.65 124,71.64 124,70.5 124.3,70.2 C513.2@124.3,69.6 v1(124.3,68.55) ; C514.2@124.315,67.484 v1@124.315,68.534 ; C510.2@130.7,70 C511.2@131.9,70 C512.2@131.9,68.8 v1(131.2,68.8) ; 131.3,65.9 R518.2@133.4,65.9 ; C511.2@131.6,70.1 131.6,71.62 IC501.2@131.63,71.65
  other v1: 133.4,66.8 125.9,68.2 122.8,68.3 128.7,69 125.9,70.5 122.8,72.2 133.8,72.2